# Altium PCB LION_TRACKER.PcbDoc (part 1 of 2)
Units mm, origin at the board's own origin, x right, y up, seen from the top; angles counter-clockwise.
Board outline 22.8 x 82 mm, 2 copper layers (Top Layer, Bottom Layer), stack 1.579 mm thick; 112 components, 82 nets, 425 pads, 501 vias.
Unrouted connection lines stored in the file: 5.
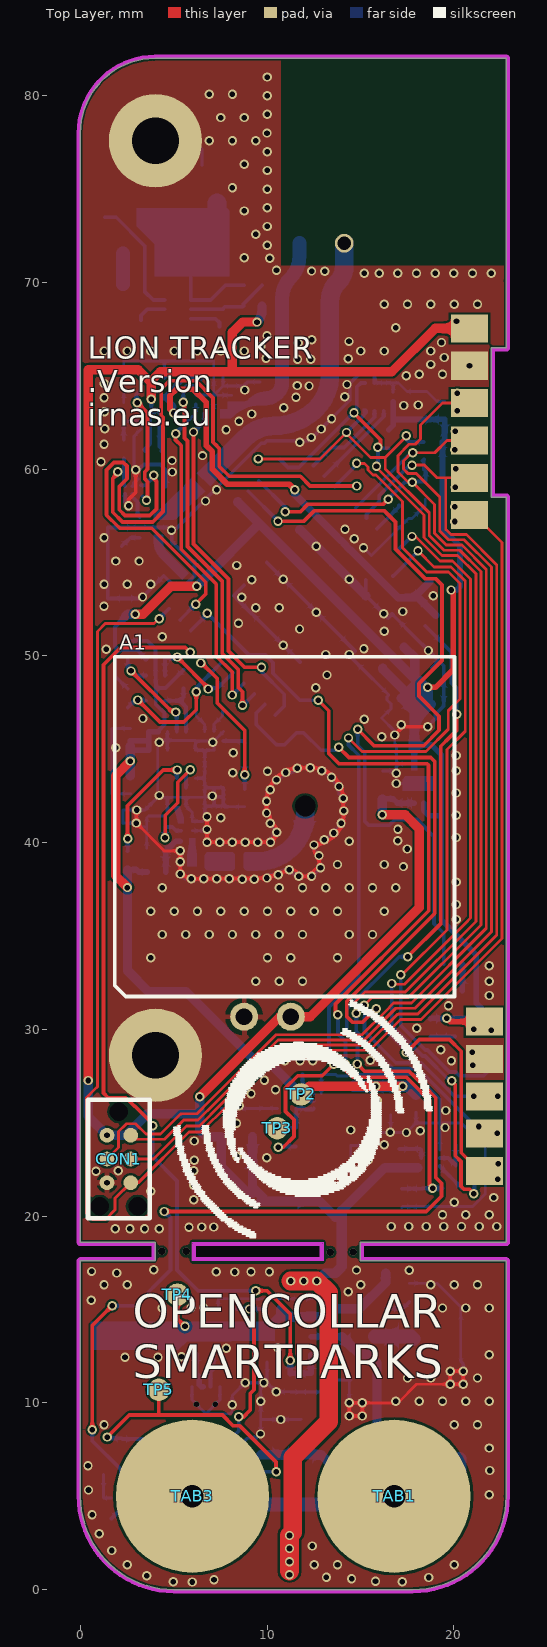
[diagram p0: Top Layer view]
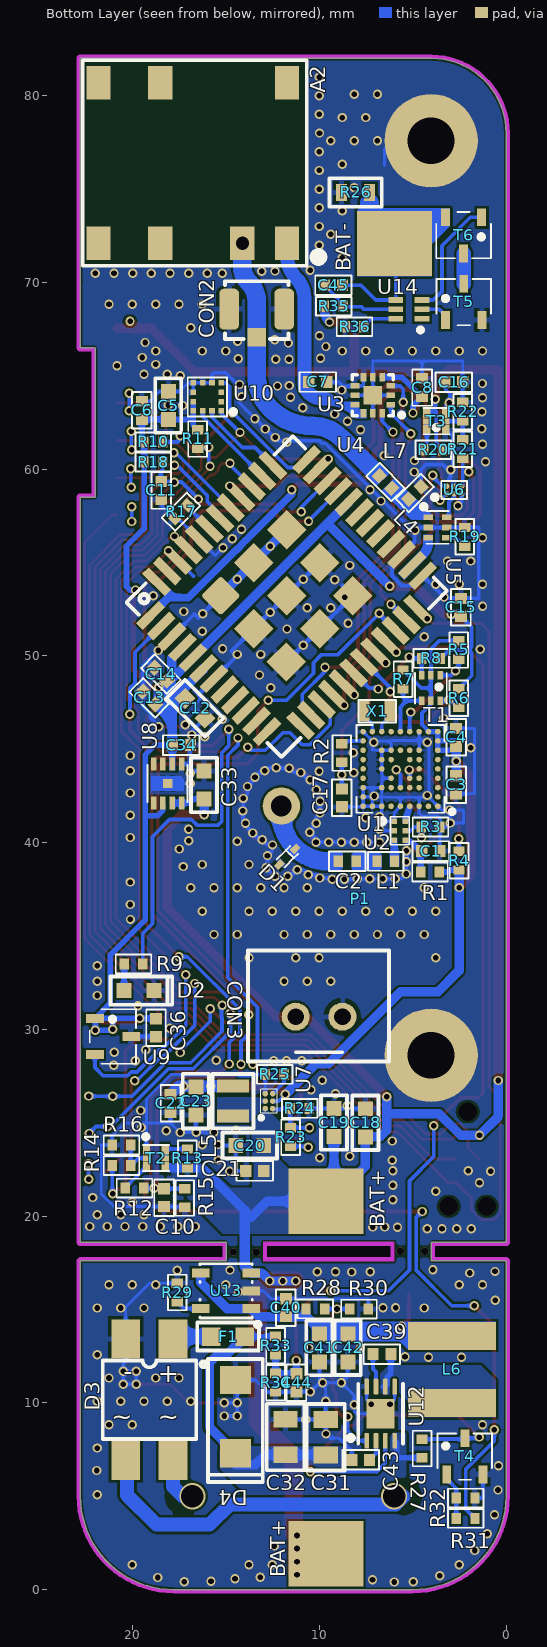
[diagram p1: Bottom Layer view, seen from below]

## Layer stack, top to bottom
Top Solder: solder mask 0.0102, Solder Resist, Dk 3.5
Top Layer: signal copper 0.0356
Dielectric 1: dielectric 1.508, FR-4, Dk 4.8
Bottom Layer: signal copper 0.0356
Bottom Solder: solder mask 0.0102, Solder Resist, Dk 3.5

## Board outline
0,5 0,17.6 4,17.6 4,18.6 0,18.6 0,78 cw(c4,78) 4,82 22.8,82 22.8,70.08 22.8,66.5 22,66.5 22,58.5 22.8,58.5 22.8,18.6 15,18.6 15,17.6 22.8,17.6 22.8,5 cw(c17.8,5) 17.8,0 5,0 cw(c4.999,5)
cut-out: 6,18.6 13,18.6 13,17.6 6,17.6

## Design rules (kind name [scope] priority, off if disabled: settings)
Clearance Clearance_ANT [InComponent('A1')] p1 off: gap=2.24 ignorepadtopadclearanceinfootprint=TRUE
Clearance [All] p2: gap=0.127 ignorepadtopadclearanceinfootprint=FALSE
ComponentClearance [All] p1: gap=0.152 collisioncheckmode=3 verticalgap=0.152 showdistances=FALSE
MinimumSolderMaskSliver [All] p1: minsoldermaskwidth=0
PlaneClearance [InComponent('A1')] p1: clearance=0.508
PolygonConnect [All] p1: thpad.connectstyle=Direct thpad.reliefconductorwidth=0.254 thpad.reliefentries=4 thpad.polygonreliefangle="90 Angle" thpad.airgapwidth=0.254 smdpad.connectstyle=Relief smdpad.reliefconductorwidth=0.3 smdpad.reliefentries=4 smdpad.polygonreliefangle="90 Angle" smdpad.airgapwidth=0.157 via.connectstyle=Direct via.reliefconductorwidth=0.254 via.reliefentries=4 via.polygonreliefangle="90 Angle" via.airgapwidth=0.254
RoutingVias [All] p1: holewidth=0.2 width=0.4 viastyle="Through Hole" minholewidth=0.2 minwidth=0.4 maxholewidth=1.5 maxwidth=2
SilkToSilkClearance [All] p1: silktosilkclearance=0
SilkToSolderMaskClearance [IsPad] p1: minsilkscreentomaskgap=0 clearancetoexposedcopper=TRUE
SolderMaskExpansion [All] p1: expansion=0.102 istentingtop=FALSE
Width [All] p1: maxlimit=5 minlimit=0.127 preferedwidth=0.3
25 further rules are at their usual default settings.

## Classes and differential pairs
component class SENSORS: C5 C6 C36 U9 U10
component class POWER: C18 C19 C20 C21 C22 C23 C31 C32 C33 C34 C39 C40 C41 C42 C43 C44 C45 D3 D4 F1 L5 L6 P1 R9 R23 R24 R25 R26 R27 R28 R29 R30 R31 R32 R33 R34 R35 R36 T4 T5 T6 TAB1 TAB3 TP2 TP3 TP4 TP5 U7 U8 U12 U13 U14
component class MCU: C11 C12 C13 C14 C15 C16 C17 R17 R18 R19 R20 R21 R22 T3 U4 U5 U6
component class GPS: A1 C1 C2 C3 C4 D1 L1 R1 R2 R3 R4 R5 R6 R7 R8 T1 U1 U2 X1
component class MAIN: A2 C7 C8 C10 CON1 CON2 D2 L4 L7 R9 R10 R11 R12 R13 R14 R15 R16 T2 U3

## Components (designator, comment, footprint, x,y, rotation, side; value= is the part's Value field where it differs from the comment)
A1 "MPA-184 1594MHz" MPA-184 10.934,40.863 r0 top locked
A2 "SR42I010-L" SR42I010-L 16.78,76.4 r180 bottom
C1 "33nF" CAP0402#1 4.04,39.55 r0 bottom
C2 "470pF" CAP0402#2 8.51,39 r0 bottom locked
C3 "1uF" CAP0402#1 2.675,43.1 r90 bottom
C4 "100nF" CAP0402#1 2.676,45.642 r270 bottom
C5 "10uF" CAP0603 18.09,63.41 r90 bottom
C6 "100nF" CAP0402#1 19.51,63.15 r270 bottom
C7 "3.9pF" CAP0402#1 10.09,64.67 r0 bottom
C8 "100nF" CAP0402#1 4.5,64.37 r270 bottom
C10 "10nF" CAP0402#1 18.32,20.99 r90 bottom
C11 "100nF" CAP0402#1 18.47,58.86 r90 bottom
C12 "10uF" CAP0603 16.66,47.2 r225 bottom
C13 "1uF" CAP0402#1 19.12,47.75 r225 bottom
C14 "100nF" CAP0402#1 18.49,49.03 r225 bottom
C15 "1uF" CAP0402#1 2.42,52.6 r270 bottom
C16 "100nF" CAP0402#1 2.8,64.66 r180 bottom
C17 "10nF" CAP0402#1 8.8,42.4 r90 bottom
C18 "10uF" CAP0603 7.54,25 r270 bottom
C19 "10uF" CAP0603 9.22,25.01 r270 bottom
C20 "10uF" CAP0603 13.73,23.78 r180 bottom
C21 "100nF" CAP0402#1 13.46,22.42 r180 bottom
C22 "100nF" CAP0402#1 17.97,26.04 r90 bottom
C23 "22uF/4V" CAP0603 16.62,26.16 r90 bottom
C31 "10uF /35V" CAP0805 9.66,8.16 r270 bottom
C32 "10uF /35V" CAP0805 11.81,8.17 r270 bottom
C33 "4u7/16V" CAP0603 16.18,43.09 r270 bottom
C34 "2.2uF 6V3" CAP0402#1 17.4,45.23 r0 bottom
C36 "1uF" CAP0402#1 18.75,30.09 r270 bottom
C39 "100nF" CAP0402#1 6.65,12.61 r180 bottom
C40 "1uF" CAP0402#1 11.8,15.1 r270 bottom
C41 "10uF" CAP0603 10,12.94 r90 bottom
C42 "10uF" CAP0603 8.48,12.95 r90 bottom
C43 "1uF" CAP0402#1 7.79,6.95 r180 bottom
C44 "100nF" CAP0402#1 11.23,11.08 r90 bottom
C45 "100nF" CAP0402#1 9.25,69.85 r0 bottom
CON1 "Tag connect" TC2030-IDC-NL 2.06,23.06 r270 top
CON2 "U.FL-R-SMT-1(10)" "ufl connector smd" 13.21,68.317 r0 bottom
CON3 "JST-xH" JST_2PIN_TH 8.77,30.68 r0 bottom
D1 "ESD9R3.3ST5G" SOD-923 11.72,39.25 r135 bottom
D2 "LED RED" LED0603 19.66,32.077 r0 bottom
D3 "MB1S" MB1S 19.1,10.17 r0 bottom
D4 "SMAJ28A" "DO-214AC (SMA)" 14.49,9.26 r270 bottom
F1 "750mA" FUSE0603 14.89,13.55 r180 bottom
L1 "8.2nH" IND0402#1 6.45,39 r0 bottom
L4 "NP" IND0402#2 4.89,58.73 r315 bottom
L5 "2.2uH" IND2.3X1.7 14.63,26.16 r90 bottom
L6 "SRN5020TA-220M" SRN5020TA 2.9,11.79 r90 bottom
L7 "1.5nH" IND0402#2 6.46,59.31 r45 bottom
P1 "BAT - 18650" "BATTERY 18650 - SMD TAB" 9.65,37.02 r180 bottom locked
R1 "0R" RES0402 4.08,38.43 r180 bottom
R2 "100R" RES0402 8.8,44.8 r90 bottom
R3 "1M/0402" RES0402 4.05,40.84 r0 bottom
R4 "100k" RES0402 2.52,39.04 r270 bottom
R5 "100k" RES0402 2.54,50.32 r270 bottom
R6 "100k" RES0402 2.54,47.74 r90 bottom
R7 "100k" RES0402 5.52,48.75 r270 bottom
R8 "100k" RES0402 4.02,49.87 r180 bottom
R9 "100R" RES0402 19.954,33.502 r0 bottom
R10 "10k" RES0402 18.89,61.46 r0 bottom
R11 "10k" RES0402 16.52,61.62 r90 bottom
R12 "330R" RES0402 19.9,21.5 r0 bottom
R13 "100k" RES0402 17.07,23.1 r270 bottom
R14 "100R" RES0402 20.6,22.71 r180 bottom
R15 "390R" RES0402 17.21,20.97 r90 bottom
R16 "1M/0402" RES0402 20.6,23.81 r180 bottom
R17 "10k" RES0402 17.41,57.72 r315 bottom
R18 "10k" RES0402 18.89,60.38 r0 bottom
R19 "50R" RES0402 2.22,56.38 r270 bottom
R20 "100k" RES0402 3.9,61.04 r180 bottom
R21 "100R" RES0402 2.32,61.07 r90 bottom
R22 "1M/0402" RES0402 2.32,63.08 r270 bottom
R23 "100R" RES0402 11.54,24.23 r90 bottom
R24 "1M" RES0402 11.06,25.77 r0 bottom
R25 "768k" RES0402 12.39,27.59 r180 bottom
R26 "0R" RES0603 8.06,74.82 r180 bottom
R27 "1M/0402" RES0402 4.5,7.56 r270 bottom
R28 "52.3k" RES0402 10.22,15.03 r0 bottom
R29 "2k" RES0402 17.61,15.91 r270 bottom
R30 "10k" RES0402 7.88,15.02 r0 bottom
R31 "100R" RES0402 2.17,3.815 r0 bottom
R32 "1M/0402" RES0402 2.17,4.905 r0 bottom
R33 "165k" RES0402 12.35,13.07 r90 bottom
R34 "10k" RES0402 12.35,11.08 r90 bottom
R35 "330R" RES0402 9.23,68.73 r0 bottom
R36 "2.2k" RES0402 8.12,67.63 r180 bottom
T1 "NTZD3154NT1G" SOT-563 4.03,48.28 r0 bottom value=BSS123
T2 "VT6M1T2CR" VMT6 18.76,23.11 r270 bottom value=BSS123
T3 "VT6M1T2CR" VMT6 3.74,62.57 r90 bottom value=BSS123
T4 "DMG2302UK-7" SOT23-3AL 2.21,7.135 r90 bottom value=BSS123
T5 "SI2374DS-T1-GE3" SOT23-3AL 2.27,68.96 r90 bottom value=BSS123
T6 "SI2374DS-T1-GE3" SOT23-3AL 2.28,72.52 r270 bottom value=BSS123
TAB1 "WP-SMBU SMD" WP-SMBU 16.8,5 r0 top
TAB3 "WP-SMBU SMD" WP-SMBU 6,5 r0 top
TP2 "TestPoint" TestPoint:1.2x1.2mm 11.82,26.52 r90 top
TP3 "TestPoint" TestPoint:1.2x1.2mm 10.54,24.71 r90 top
TP4 "TestPoint" TestPoint:1.2x1.2mm 5.2,15.8 r90 top
TP5 "TestPoint" TestPoint:1.2x1.2mm 4.2,10.7 r90 top
U1 "Ublox ZOE-M8Q" S-LGA51 5.66,43.95 r0 bottom
U2 "MAX2659" uDFN-6 5.69,40.64 r270 bottom
U3 "PE64102" QFN-12 7.14,63.96 r90 bottom
U4 "CMWX1ZZABZ" "Lora Module ES0" 11.53,53.49 r135 bottom
U5 "HHM22106C1" HHM22106C1 3.68,56.88 r270 bottom
U6 "LMH2110TMX" DSBGA-6 2.79,58.89 r90 bottom
U7 "MAX38640AENT+" WLP-6 12.7,26.16 r90 bottom
U8 "MCP1810T" VDFN_2x2 18.13,43.17 r0 bottom
U9 "DRV5032FBDBZR" SOT23-3AL 21.05,29.62 r180 bottom
U10 "LIS2DW12TR" LGA-12 16,63.87 r0 bottom
U12 "MCP16311T-E/MNY" TDFN-8 6.72,9.42 r180 bottom
U13 "MCP73812T-420I/OT" SOT23-5 15,16 r90 bottom
U14 "BQ29700DSET" PWSON-6 5.21,68.56 r90 bottom
X1 "9HT11-32.768KEZC-T" 9HT11 6.906,47.04 r180 bottom

## Footprints (in the part's own frame and the unit in brackets; to place one, negate y for a bottom-side part, rotate by r counter-clockwise, add the part's x,y. Pads: shape width x height; smd on the part's side, far side on the other; paste and mask are expansions set on the pad)
9HT11 [mm]
  rect 0.6x1.1 smd paste-0.05: 1(-0.7,0) 2(0.7,0)
  silkscreen extent -1,-0.6 1,0.6, body extent -1,-0.6 1,0.6, height 0.6
"BATTERY 18650 - SMD TAB" [mm]
  rect 4x3.5 smd: 1(0,-35.1) 2(3.67,35.07)
  body extent -9.1,-35.63 9.1,35.64, height 18
CAP0402#1 [mm] "Chip Capacitor, 2-Leads, Body 1.00x0.50mm, IPC Medium Density"
  rect 0.6x0.64 smd: 1(-0.48,0) 2(0.48,0)
  silkscreen extent -0.97,-0.53 0.97,0.53, body extent -0.55,-0.3 0.55,0.3, height 0.45
CAP0402#2 [mm] "Chip Capacitor, 2-Leads, Body 1.00x0.50mm, IPC Medium Density"
  rect 0.5x0.6 smd: 1(-0.48,0) 2(0.48,0)
  silkscreen extent -0.97,-0.53 0.97,0.53, body extent -0.55,-0.3 0.55,0.3, height 0.45
CAP0603 [mm]
  rect 0.8x0.8 smd: 1(-0.75,0) 2(0.75,0)
  silkscreen extent -1.46,-0.7 1.46,0.7, body extent -0.8,-0.4 0.8,0.4, height 0.9
CAP0805 [mm]
  rect 0.9x1.3 smd: 1(-0.95,0) 2(0.95,0)
  silkscreen extent -1.78,-1.02 1.78,1.02, body extent -1,-0.6 1,0.6, height 1.5
"DO-214AC (SMA)" [mm]
  rect 1.52x1.68 smd: A(-1.965,0) K(1.965,0)
  silkscreen extent -3.09,-1.48 3.5,1.46, body extent -2.58,-1.32 2.62,1.28, height 2.5
DSBGA-6 [mm]
  round 0.3 smd paste-0.05 mask+0.05: A1(-0.2,0.4) A2(0.2,0.4) B1(-0.2,0) B2(0.2,0) C1(-0.2,-0.4) C2(0.2,-0.4)
  silkscreen extent -0.48,-0.69 0.48,1.08, body extent -0.44,-0.61 0.44,0.61, height 0.61
FUSE0603 [mm]
  rect 1x1 smd: 1(-0.9,0) 2(0.9,0)
  silkscreen extent -1.65,-0.75 1.65,0.75, body extent -0.8,-0.37 0.8,0.38, height 0.77
HHM22106C1 [mm]
  rect 0.3x0.5 smd paste-0.025: 1(-0.55,-0.5) 2(0,-0.5) 3(0.55,-0.5) 4(0.55,0.5) 5(0,0.5) 6(-0.55,0.5)
  silkscreen extent -1.16,-0.78 0.87,0.6, body extent -0.85,-0.47 0.85,0.47, height 0.71
IND2.3X1.7 [mm]
  rect 0.7x1.7 smd: 1(-0.8,0) 2(0.8,0)
  silkscreen extent -1.45,-1.1 1.45,1.1, body extent -1,-0.8 1,0.8, height 0.95
IND0402#1 [mm] "Chip Inductor, 2-Leads, Body 1.00x0.50mm, IPC Medium Density"
  rect 0.5x0.6 smd: 1(-0.47,0) 2(0.47,0)
  silkscreen extent -0.95,-0.5 0.95,0.5, body extent -0.52,-0.27 0.53,0.27, height 0.55
IND0402#2 [mm] "Chip Inductor, 2-Leads, Body 1.00x0.50mm, IPC Medium Density"
  rect 0.57x0.62 smd: 1(-0.47,0) 2(0.47,0)
  silkscreen extent -0.95,-0.5 0.95,0.5, body extent -0.52,-0.28 0.53,0.27, height 0.55
JST_2PIN_TH [mm]
  round 1.5 hole 0.9: 1(0,0) 2(2.5,0)
  silkscreen extent -2.5,-3.54 5.06,2.4, body extent -2.44,-3.44 4.96,2.31, height 7
LED0603 [mm]
  rect 0.8x0.8 smd: 1(-0.8,0) 2(0.8,0)
  silkscreen extent -1.78,-0.76 1.52,0.76, body extent -0.85,-0.4 0.85,0.4, height 0.66
LGA-12 [mm]
  rect 0.3x0.3 smd paste-0.03 mask+0.075: 1(-0.75,0.75) 2(-0.75,0.25) 3(-0.75,-0.25) 4(-0.75,-0.75) 5(-0.25,-0.75) 6(0.25,-0.75) 7(0.75,-0.75) 8(0.75,-0.25) 9(0.75,0.25) 10(0.75,0.75) 11(0.25,0.75) 12(-0.25,0.75)
  Top Layer region: -0.615,0.875 -0.89,0.875 -0.89,0.625 -0.703,0.625 -0.615,0.713
  silkscreen extent -1.51,-1.05 1.05,1.05, body extent -1,-1 1,1, height 0.95
"Lora Module ES0" [mm]
  rect 1.7x0.5 smd paste-5: 1(-6.24,4.375) 2(-6.24,3.575) 3(-6.24,2.765) 4(-6.24,1.965) 5(-6.24,1.165) 6(-6.24,0.365) 7(-6.24,-0.425) 8(-6.24,-1.235) 9(-6.24,-2.035) 10(-6.24,-2.825) 11(-6.24,-3.635) 12(-6.24,-4.425) 25(5.562,-4.43) 26(5.562,-3.629) 27(5.562,-2.827) 28(5.562,-2.03) 29(5.562,-1.23) 30(5.562,-0.43) 31(5.56,0.365) 32(5.56,1.175) 33(5.56,1.975) 34(5.56,2.765) 35(5.56,3.575) 36(5.56,4.375)
  rect 0.5x1.7 smd paste-5: 13(-4.74,-5.48) 14(-3.938,-5.48) 15(-3.138,-5.48) 16(-2.338,-5.48) 17(-1.538,-5.48) 18(-0.738,-5.48) 19(0.062,-5.48) 20(0.862,-5.479) 21(1.662,-5.479) 22(2.462,-5.48) 23(3.269,-5.48) 24(4.11,-5.48) 37(4.07,5.425) 38(3.26,5.425) 39(2.47,5.425) 40(1.67,5.425) 41(0.87,5.425) 42(0.07,5.425) 43(-0.73,5.425) 44(-1.53,5.425) 45(-2.33,5.425) 46(-3.13,5.425) 47(-3.93,5.425) 48(-4.74,5.425)
  rrect20% 1.5x1.5 smd paste-0.2: 49(-2.838,2.47)
  rect 1.5x1.5 smd paste-0.2: 50(-0.338,2.47) 51(2.162,2.47) 52(-2.838,-0.03) 53(-0.338,-0.03) 54(2.162,-0.03) 55(-2.863,-2.53) 56(-0.338,-2.53) 57(2.162,-2.53)
  silkscreen extent -6.66,-5.94 5.93,5.79, body extent -6.63,-5.87 5.87,5.73, height 1.76
MB1S [mm]
  rect 1.55x2.1 smd: 1(-1.27,-3.25) 2(1.27,-3.25) 3(1.27,3.25) 4(-1.27,3.25)
  silkscreen extent -3.04,-2.1 2.5,2.1, body extent -2.45,-2.94 2.45,3.05, height 1.6
MPA-184 [mm]
  round 0.5 / inner round 2 / far side round 2 hole 1.1: 1(1.1,1.1)
  silkscreen extent -9.1,-9.1 9.1,9.1, body extent -9.1,-9.1 9.1,9.1, height 5.5
PWSON-6 [mm]
  rect 0.3x0.8 smd paste-0.025 mask+0.075: 1(-0.5,-0.7) 2(0,-0.7) 3(0.5,-0.7) 4(0.5,0.7) 5(0,0.7) 6(-0.5,0.7)
  silkscreen extent -1.21,-0.73 -0.99,-0.51, body extent -0.77,-0.77 0.77,0.77, height 0.8
QFN-12 [mm]
  rect 1x1 smd paste-0.1 mask+0.075: 0(0,0)
  rect 0.3x0.475 smd paste-0.025 mask+0.075: 1(-0.5,-0.962) 2(0,-0.962) 3(0.5,-0.962) 7(0.5,0.962) 8(0,0.962) 9(-0.5,0.962)
  rect 0.475x0.3 smd paste-0.025 mask+0.075: 4(0.962,-0.5) 5(0.962,0) 6(0.962,0.5) 10(-0.962,0.5) 11(-0.962,0) 12(-0.962,-0.5)
  silkscreen extent -1.17,-1.65 1.1,1.1, body extent -1,-1 1.01,1.01, height 0.61
RES0402 [mm] "Chip Resistor, 2-Leads, Body 1.00x0.50mm, IPC Medium Density"
  rect 0.5x0.6 smd: 1(-0.5,0) 2(0.5,0)
  silkscreen extent -0.95,-0.5 0.95,0.5, body extent -0.5,-0.25 0.5,0.25, height 0.35
RES0603 [mm]
  rect 0.6x0.9 smd: 1(-0.75,0) 2(0.75,0)
  silkscreen extent -1.4,-0.76 1.4,0.76, body extent -0.8,-0.42 0.8,0.42, height 0.8
S-LGA51 [mm]
  round 0.3 smd paste-0.05 mask+0.025: A1(-2,2) A2(-1.5,2) A3(-1,2) A4(-0.5,2) A5(0,2) A6(0.5,2) A7(1,2) A8(1.5,2) A9(2,2) B1(-2,1.5) B9(2,1.5) C1(-2,1) C3(-1,1) C4(-0.5,1) C5(0,1) C6(0.5,1) C7(1,1) C9(2,1) D1(-2,0.5) D3(-1,0.5) D4(-0.5,0.5) D6(0.5,0.5) D9(2,0.5) E1(-2,0) E3(-1,0) E7(1,0) E9(2,0) F1(-2,-0.5) F3(-1,-0.5) F4(-0.5,-0.5) F6(0.5,-0.5) F7(1,-0.5) F9(2,-0.5) G1(-2,-1) G3(-1,-1) G4(-0.5,-1) G5(0,-1) G6(0.5,-1) G7(1,-1) G9(2,-1) H1(-2,-1.5) H9(2,-1.5) J1(-2,-2) J2(-1.5,-2) J3(-1,-2) J4(-0.5,-2) J5(0,-2) J6(0.5,-2) J7(1,-2) J8(1.5,-2) J9(2,-2)
  silkscreen extent -2.88,-2.35 2.35,2.4, body extent -2.25,-2.25 2.25,2.25, height 1.04
SOD-923 [mm]
  rect 0.5x0.35 smd: A(-0.6,0) K(0.6,0)
  silkscreen extent -0.5,-0.3 0.51,0.3, body extent -0.5,-0.3 0.5,0.3, height 0.4
SOT23-3AL [mm]
  rect 0.95x0.48 smd: 1(-0.97,0.97) 2(-0.97,-0.97) 3(0.97,0)
  silkscreen extent -1.25,-1.46 1.23,1.46, body extent -1.25,-1.46 1.23,1.46, height 0.95
SOT23-5 [mm]
  rect 0.48x0.95 smd: 1(-0.95,-1.35) 2(0,-1.35) 3(0.95,-1.35) 4(0.95,1.35) 5(-0.95,1.35)
  silkscreen extent -1.92,-1.82 1.45,1.4, body extent -1.45,-1.4 1.45,1.4, height 1.45
SOT-563 [mm]
  rect 0.3x0.45 smd paste-0.05: 1(-0.5,-0.675) 2(0,-0.675) 3(0.5,-0.675) 4(0.5,0.675) 5(0,0.675) 6(-0.5,0.675)
  silkscreen extent -0.85,-0.81 0.85,0.82, body extent -0.8,-0.81 0.8,0.81, height 0.58
SR42I010-L [mm]
  rect 1.3x1.8 smd: 1(5.05,-4.3) 2(2.65,-4.3) 3(-1.75,-4.3) 4(-5.05,-4.3) 5(-5.05,4.3) 6(-1.75,4.3) 7(5.05,4.3)
  silkscreen extent -5.9,-5.5 6.96,5.5, body extent -6,-5.5 6,5.5, height 1.7
SRN5020TA [mm]
  rect 1.5x4.7 smd: 1(-1.8,0) 2(1.8,0)
  body extent -2.5,-2.5 2.5,2.5, height 2
TC2030-IDC-NL [mm] "Tag-Connect 6-Pin with No Legs (PN# TC2030-IDC-NL)"
  round 0.9 hole 0.995 unplated: 0(-2.54,0) 0(2.54,1.016) 0(2.54,-1.016)
  round 0.79 smd paste-0.39: 1(-1.27,-0.635) 2(-1.27,0.635) 3(0,-0.635) 4(0,0.635) 5(1.27,-0.635) 6(1.27,0.635)
  silkscreen extent -3.18,-1.65 3.18,1.65
TDFN-8 [mm]
  rrect50% 0.25x0.85 smd: 1(-0.75,-1.45) 2(-0.25,-1.45) 3(0.25,-1.45) 4(0.75,-1.45) 5(0.75,1.45) 6(0.25,1.45) 7(-0.25,1.45) 8(-0.75,1.45)
  rect 1.5x1.6 smd: 9(0,0)
  silkscreen extent -1.74,-1.6 1.2,1.6, body extent -1,-1.5 1,1.5, height 0.8
TestPoint:1.2x1.2mm [mm]
  round 1.2 smd paste-10 mask+0: 0(0,0)
uDFN-6 [mm]
  rect 0.3x0.3 smd mask+0.05: 1(-0.5,-0.3) 2(0,-0.3) 3(0.5,-0.3) 4(0.5,0.3) 5(0,0.3) 6(-0.5,0.3)
  silkscreen extent -0.75,-1.1 0.75,0.5, body extent -0.75,-0.5 0.75,0.5, height 0.75
"ufl connector smd" [mm]
  rect 1x1 smd: 1(0.15,1.248)
  rrect50% 1.05x2.2 smd: 2(-1.325,-0.252) 2(1.625,-0.252)
  silkscreen extent -1.55,-1.75 1.85,1.35, body extent -1.55,-1.67 1.85,1.43, height 1.25
VDFN_2x2 [mm]
  rect 0.5x0.5 smd: 0(0,0)
  rect 0.3x0.7 smd paste-0.025 mask+0.05: 1(-0.75,-1.05) 2(-0.25,-1.05) 3(0.25,-1.05) 4(0.75,-1.05) 5(0.75,1.05) 6(0.25,1.05) 7(-0.25,1.05) 8(-0.75,1.05)
  Top Layer region: 0.87,0.4 -0.87,0.401 -0.87,-0.23 -0.72,-0.38 0.87,-0.38
  silkscreen extent -1.07,-1 1.08,1, body extent -1,-1 1,1.01, height 0.86
VMT6 [mm]
  rect 0.5x0.4 smd paste-0.04 mask+0.05: 1(-0.43,-0.5) 3(0.43,-0.5) 4(0.43,0.5) 6(-0.43,0.5)
  rect 0.3x0.4 smd mask+0.05: 2(0,-0.5) 5(0,0.5)
  silkscreen extent -1.26,-0.7 0.7,0.7, body extent -0.6,-0.6 0.6,0.6, height 0.55
WLP-6 [mm] "WLP-6"
  round 0.3 smd paste-0.05 mask+0.05: A1(-0.4,0.2) A2(0,0.2) A3(0.4,0.2) B1(-0.4,-0.2) B2(0,-0.2) B3(0.4,-0.2)
  silkscreen extent -0.95,-0.45 0.64,0.48, body extent -0.62,-0.42 0.62,0.42, height 1.27
WP-SMBU [mm]
  round 8.2 smd paste-10: 1(0,0)
  body extent -3.5,-3.5 3.5,3.5, height 7

## Part data
A1: library part "ANT - MAXTENA MPA-184 1594MHz", "Antennas Passive GPS/GLONASS Patch Antenna", Manufacturer=Antenova, Manufacturer Part Number=SR42I010-R, Supplier Part Number 1=931-1152-ND, ComponentLink1Description=Datasheet, ComponentLink1URL=https://www.maxtena.com/wp-content/uploads/2018/09/maxtena_application_note_patch_antennas.pdf, Pricing 1="1 = 2.36000, 10 = 1.90000, 50 = 1.90000, 100 = 1.52000, 1000 = 1.07000, 10000 = 0.95900 (USD)", Stock 1=3154, Supplier 1=Digi-Key
A2: library part "ANT - SR42I010-L", "Antenna SMD -4dBi Gain 870MHz/928MHz Automotive 7-Pin SMD T/R", Manufacturer=Antenova, Manufacturer Part Number=SR42I010-R, Supplier Part Number 1=237-SR42I010-L, Pricing 1="1 = 2.36000, 10 = 1.90000, 50 = 1.90000, 100 = 1.52000, 1000 = 1.07000, 10000 = 0.95900 (USD)", Stock 1=3154, Supplier 1=Mouser
C1: library part "C - 33pF/0402", "33 pF, 16 V,  5%, C0G / NP0, MC Series", Capacitance=33pF, Case Code (Imperial)=0402, Case Code (Metric)=1005, Dielectric=C0G, IRNAS Part No.=/, Manufacturer=Multicomp, Manufacturer Part Number=MC0402N330J160CT, Max Operating Temperature=125°C, Min Operating Temperature=-55°C, Supplier Part Number 1=1759384, Tolerance=5%, Voltage Rating=16V, ComponentLink1Description=http://www.farnell.com/datasheets/2117933.pdf, ComponentLink1URL=http://www.farnell.com/datasheets/2117933.pdf, ComponentLink2Description=http://www.farnell.com/datasheets/2117900.pdf, ComponentLink2URL=http://www.farnell.com/datasheets/2117900.pdf, Packaging="Cut Tape", Pricing 1="10=0.011, 100=0.009, 500=0.0069, 2500=0.0041 (EUR)", REACH SVHC="No SVHC", Stock 1=19597, Supplier 1=Farnell, Voltage Rating (DC)=16V
C2: library part "C - 470pF/0402", "470 pF, 50 V, 0402 [1005 Metric], ± 10%, X7R, GRT Series", IRNAS Part No.=/, Manufacturer=Murata, Manufacturer Part Number=GRT155R71H471KE01D, Supplier Part Number 1=2672128, Pricing 1="10=0.0259, 100=0.0176, 500=0.0105, 2500=0.008, 5000=0.007, 10000=0.006, 50000=0.0041 (GBP)", Stock 1=11080, Supplier 1=Farnell
C3 C13 C15 C36: library part "C - 1uF/0402", "CAP CER 1UF 10V 20% X5R 0402", Case/Package=0402, Case Code (Metric)=1005, Dielectric=X5R, IRNAS Part No.=/, Manufacturer=Murata, Manufacturer Part Number=GRM155R61A105ME15D, Max Operating Temperature=85°C, Min Operating Temperature=-55°C, Package Quantity=1, Supplier Part Number 1=1740588, Tolerance=20%, Voltage=10V, Capacitance=1uF, Case Code (Imperial)=0402, ComponentLink1Description=https://datasheet.ciiva.com/164/product-164665.pdf, ComponentLink1URL=https://datasheet.ciiva.com/164/product-164665.pdf, ComponentLink2Description=https://datasheet.ciiva.com/11616/product-11616508.pdf, ComponentLink2URL=https://datasheet.ciiva.com/11616/product-11616508.pdf, ComponentLink3Description=https://datasheet.ciiva.com/46418/1769893-46418047.pdf, ComponentLink3URL=https://datasheet.ciiva.com/46418/1769893-46418047.pdf, ComponentLink4Description=https://datasheet.ciiva.com/164/partnumbering-e-01-164666.pdf, ComponentLink4URL=https://datasheet.ciiva.com/164/partnumbering-e-01-164666.pdf, ComponentLink5Description=https://datasheet.ciiva.com/164/partnumbering-e-01-164667.pdf, ComponentLink5URL=https://datasheet.ciiva.com/164/partnumbering-e-01-164667.pdf, Depth=0.5mm, Height=0.5mm, Lead Free="Lead Free", Length=1mm, Mount="Surface Mount", Packaging="Tape and Reel", Pricing 1="10=0.0379, 100=0.0266, 500=0.0156, 2500=0.0098, 5000=0.0083 (EUR)", Radiation Hardening=No, REACH SVHC="No SVHC", Stock 1=0, Supplier 1=Farnell, Thickness=0.022inch, Voltage Rating=10V, Voltage Rating (DC)=10V, Width=0.02inch
C4 C6 C8 C11 C14 C16 C21 C22 C39 C44 C45: library part "C - 100nF/0402", "0.1 F, 16 V,  5%, X5R, MC Series", Case Code (Imperial)=0402, Case Code (Metric)=1005, Dielectric=X5R, IRNAS Part No.=/, Manufacturer=Multicomp, Manufacturer Part Number=MC0402X104J160CT, Max Operating Temperature=85°C, Min Operating Temperature=-55°C, Supplier Part Number 1=2627419, Tolerance=5%, Voltage Rating=16V, Capacitance=100nF, ComponentLink1Description=http://www.farnell.com/datasheets/2117933.pdf, ComponentLink1URL=http://www.farnell.com/datasheets/2117933.pdf, ComponentLink2Description=http://www.farnell.com/datasheets/2117900.pdf, ComponentLink2URL=http://www.farnell.com/datasheets/2117900.pdf, Packaging="Tape and Reel", Pricing 1="10=0.0139, 100=0.0108, 500=0.0076, 2500=0.0051, 5000=0.0038 (EUR)", REACH SVHC="No SVHC", Stock 1=3230, Supplier 1=Farnell, Voltage Rating (DC)=16V
C5 C12 C20: library part "C - 10uF/10V", "Cap Ceramic 10uF 10V X5R 10% SMD 0603 85C Paper T/R", Case/Package=0603, Case Code (Metric)=1608, Dielectric=X5R, IRNAS Part No.=/, Manufacturer=Samsung, Manufacturer Part Number=CL10A106KP8NNNC, Max Operating Temperature=85°C, Min Operating Temperature=-55°C, Package Quantity=1, Supplier Part Number 1=2456110, Tolerance=10%, Voltage Rating=10V, Capacitance=10uF, Case Code (Imperial)=0603, ComponentLink1Description=https://www.verical.com/server-webapp/html/getDatasheet?partID=359551, ComponentLink1URL=https://www.verical.com/server-webapp/html/getDatasheet?partID=359551, ComponentLink2Description=http://www1.futureelectronics.com/doc/SAMSUNG%20PASSIVE/CL05B104KQ5NNNC.pdf, ComponentLink2URL=http://www1.futureelectronics.com/doc/SAMSUNG%20PASSIVE/CL05B104KQ5NNNC.pdf, ComponentLink3Description=https://produktinfo.conrad.com/datenblaetter/450000-474999/457369-da-01-en-VS_KONDENSATOR_0603.pdf, ComponentLink3URL=https://produktinfo.conrad.com/datenblaetter/450000-474999/457369-da-01-en-VS_KONDENSATOR_0603.pdf, Contact Plating=Tin, Depth=0.8mm, Height=0.8mm, Lead Free="Lead Free", Length=1.6mm, Material=Ceramic, Mount="Surface Mount", Packaging="Tape and Reel", Pricing 1="1=0.36, 10=0.248, 100=0.1403, 500=0.099, 1000=0.08663 (USD)", Radiation Hardening=No, Stock 1=2844657, Supplier 1=Farnell, Thickness=0.035inch, Voltage Rating (DC)=10V, Width=0.031inch
C7: library part "C - 3.9pF/0402", "3.9 pF, 50 V, 0402 [1005 Metric], ± 0.25pF, NP0", Capacitance=1.8pF, Case/Package=0402, Case Code (Metric)=1005, Dielectric Material=Ceramic, IRNAS Part No.=/, Manufacturer=KEMET, Manufacturer Part Number=MC0402N3R9C500CT, Max Operating Temperature=125°C, Min Operating Temperature=-55°C, Supplier Part Number 1=2627407, Voltage Rating=50V, Case Code (Imperial)=0402, ComponentLink1Description=Datasheet, ComponentLink1URL=http://www.farnell.com/datasheets/2861120.pdf?_ga=2.234267230.1320867293.1574405148-1373726713.1554121096&_gac=1.121381498.1571402529.CjwKCAjwxaXtBRBbEiwAPqPxcCedmxiKa04iNyErqeZ3YE_megEuFQhz7mFuJRxR0uEYBmhYeHxt1xoC4MkQAvD_BwE, Lead Free="Lead Free", Packaging="Tape and Reel", Pricing 1="10=0.463, 100=0.248, 500=0.182, 2500=0.153, 5000=0.134, 10000=0.11, 50000=0.0961 (EUR)", Stock 1=8950, Supplier 1=Farnell, Termination=SMD/SMT, Voltage Rating (DC)=50V
C10 C17: library part "C - 10nF/0402", "CAP CER 10000PF 16V X7R 0402", Case/Package=0402, Case Code (Metric)=1005, Dielectric=X7R, IRNAS Part No.=/, Manufacturer=Murata, Manufacturer Part Number=GRM155R71C103KA01D, Max Operating Temperature=125°C, Min Operating Temperature=-55°C, Package Quantity=1, Supplier Part Number 1=1828864, Tolerance=10%, Voltage=16V, Capacitance=10nF, Case Code (Imperial)=0402, ComponentLink1Description=https://datasheet.ciiva.com/129/partnumbering-e-01-129774.pdf, ComponentLink1URL=https://datasheet.ciiva.com/129/partnumbering-e-01-129774.pdf, ComponentLink2Description=https://datasheet.ciiva.com/129/partnumbering-e-01-129775.pdf, ComponentLink2URL=https://datasheet.ciiva.com/129/partnumbering-e-01-129775.pdf, ComponentLink3Description=https://datasheet.ciiva.com/129/product-129776.pdf, ComponentLink3URL=https://datasheet.ciiva.com/129/product-129776.pdf, ComponentLink4Description=https://datasheet.ciiva.com/18184/getdatasheetpartid-178863-18184649.pdf, ComponentLink4URL=https://datasheet.ciiva.com/18184/getdatasheetpartid-178863-18184649.pdf, ComponentLink5Description=https://datasheet.ciiva.com/22698/608985-22698415.pdf, ComponentLink5URL=https://datasheet.ciiva.com/22698/608985-22698415.pdf, ComponentLink6Description=https://datasheet.ciiva.com/7937/608985-7937614.pdf, ComponentLink6URL=https://datasheet.ciiva.com/7937/608985-7937614.pdf, Depth=0.5mm, Height=0.5mm, Lead Free="Lead Free", Length=1mm, Mount="Surface Mount", Number of Pins=2, Packaging="Tape and Reel", Pricing 1="10=0.0216, 100=0.0151, 500=0.0104, 2500=0.0069, 5000=0.0056 (EUR)", Radiation Hardening=No, REACH SVHC="No SVHC", Stock 1=16478, Supplier 1=Farnell, Termination=SMD/SMT, Thickness=0.022inch, Voltage Rating=16V, Voltage Rating (DC)=16V, Width=0.02inch
C18 C19 C41 C42: library part "C - 10uF/10V", "Cap Ceramic 10uF 10V X5R 10% SMD 0603 85C Paper T/R", Case/Package=0603, Case Code (Metric)=1608, Dielectric=X5R, IRNAS Part No.=/, Manufacturer=Samsung, Manufacturer Part Number=CL10A106KP8NNNC, Max Operating Temperature=85°C, Min Operating Temperature=-55°C, Package Quantity=1, Supplier Part Number 1=1276-1192-1-ND, Tolerance=10%, Voltage Rating=10V, Capacitance=10uF, Case Code (Imperial)=0603, ComponentLink1Description=https://www.verical.com/server-webapp/html/getDatasheet?partID=359551, ComponentLink1URL=https://www.verical.com/server-webapp/html/getDatasheet?partID=359551, ComponentLink2Description=http://www1.futureelectronics.com/doc/SAMSUNG%20PASSIVE/CL05B104KQ5NNNC.pdf, ComponentLink2URL=http://www1.futureelectronics.com/doc/SAMSUNG%20PASSIVE/CL05B104KQ5NNNC.pdf, ComponentLink3Description=https://produktinfo.conrad.com/datenblaetter/450000-474999/457369-da-01-en-VS_KONDENSATOR_0603.pdf, ComponentLink3URL=https://produktinfo.conrad.com/datenblaetter/450000-474999/457369-da-01-en-VS_KONDENSATOR_0603.pdf, Contact Plating=Tin, Depth=0.8mm, Height=0.8mm, Lead Free="Lead Free", Length=1.6mm, Material=Ceramic, Mount="Surface Mount", Packaging="Tape and Reel", Pricing 1="1=0.36, 10=0.248, 100=0.1403, 500=0.099, 1000=0.08663 (USD)", Radiation Hardening=No, Stock 1=2844657, Supplier 1=Digi-Key, Thickness=0.035inch, Voltage Rating (DC)=10V, Width=0.031inch
C23: library part "C - 10uF/10V", "22 µF, 4 V, 0603 [1608 Metric], ± 20%, X5R, GRM Series", Capacitance=10uF, Case/Package=0603, Case Code (Metric)=1608, Dielectric=X5R, IRNAS Part No.=/, Manufacturer=Samsung, Manufacturer Part Number=GRM188R60G226MEA0D, Max Operating Temperature=85°C, Min Operating Temperature=-55°C, Package Quantity=1, Supplier Part Number 1=1907502, Tolerance=10%, Voltage Rating=10V, Case Code (Imperial)=0603, ComponentLink1Description=https://www.verical.com/server-webapp/html/getDatasheet?partID=359551, ComponentLink1URL=https://www.verical.com/server-webapp/html/getDatasheet?partID=359551, ComponentLink2Description=http://www1.futureelectronics.com/doc/SAMSUNG%20PASSIVE/CL05B104KQ5NNNC.pdf, ComponentLink2URL=http://www1.futureelectronics.com/doc/SAMSUNG%20PASSIVE/CL05B104KQ5NNNC.pdf, ComponentLink3Description=https://produktinfo.conrad.com/datenblaetter/450000-474999/457369-da-01-en-VS_KONDENSATOR_0603.pdf, ComponentLink3URL=https://produktinfo.conrad.com/datenblaetter/450000-474999/457369-da-01-en-VS_KONDENSATOR_0603.pdf, Contact Plating=Tin, Depth=0.8mm, Height=0.8mm, Lead Free="Lead Free", Length=1.6mm, Material=Ceramic, Mount="Surface Mount", Packaging="Tape and Reel", Pricing 1="1=0.36, 10=0.248, 100=0.1403, 500=0.099, 1000=0.08663 (USD)", Radiation Hardening=No, Stock 1=2844657, Supplier 1=Farnell, Thickness=0.035inch, Voltage Rating (DC)=10V, Width=0.031inch
C31 C32: library part "C - 10uF /16V", "10UF, 16V, 0805", Capacitance=10uF, Case/Package=0805, IRNAS Part No.=I-200007, Manufacturer=TDK, Manufacturer Part Number=CGA4J1X5R1C106K125AC, Supplier Part Number 1=2611943, Case Code (Imperial)=0805, ComponentLink1Description=http://bcove.me/e1v54mtm, ComponentLink1URL=http://bcove.me/e1v54mtm, ComponentLink2Description=http://www.farnell.com/datasheets/1936565.pdf, ComponentLink2URL=http://www.farnell.com/datasheets/1936565.pdf, ComponentLink3Description=http://www.farnell.com/datasheets/1683658.pdf, ComponentLink3URL=http://www.farnell.com/datasheets/1683658.pdf, Pricing 1="5=0.41, 50=0.146, 250=0.131, 500=0.12, 1000=0.103 (GBP)", RoHS=YES, Stock 1=8974, Supplier 1=Farnell
C33: library part "C - 4u7  16V 0603", "4.7UF, 16V, 0603", Capacitance=4.7, Capacitance Tolerance="± 10%", Ceramic Capacitor Case="0603 [1608 Metric]", Dielectric Characteristic=X5, IRNAS Part No.=I-200001, Manufacturer=MURATA, Manufacturer Part Number=GRM188R61C475KAAJD, Operating Temperature Max=85, Operating Temperature Min=-55, Supplier Part Number 1=2611924, Voltage Rating=16, Automotive Qualification Standard=-, ComponentLink1Description=http://www.farnell.com/datasheets/2079168.pdf, ComponentLink1URL=http://www.farnell.com/datasheets/2079168.pdf, MSL="MSL 1 - Unlimited", Packaging="Cut Tape", Pricing 1="10=0.16, 100=0.0929, 500=0.076, 1000=0.0618, 2000=0.0605, 4000=0.0425, 20000=0.0409, 40000=0.0355 (GBP)", Product Range="GRM Series", RoHS=YES, Stock 1=5038, Supplier 1=Farnell, SVHC="No SVHC (17-Dec-2015)<!--FANDB--><div class=\"features-and-benefits-container\"><div class=\"features-and-benefits-desc-container\"><span class=\"features-and-benefits-container-desc\">SMD Multilayer Ceramic Capacitor, 0603 [1608 Metric], 4.7 µF, 16 V, ± 10%, X5"
C34: library part "C - 2.2uF/6V3/0402", "CAP CER 2.2UF 6.3V 20% X5R 0402", Capacitance=2.2uF, Case/Package=0402, Case Code (Metric)=1005, Dielectric=X5R, IRNAS Part No.=/, Manufacturer=Murata, Manufacturer Part Number=GRM155R60J225ME15D, Max Operating Temperature=85°C, Min Operating Temperature=-55°C, Package Quantity=10000, Supplier Part Number 1=2362088, Tolerance=20%, Voltage=6.3V, Case Code (Imperial)=0402, ComponentLink1Description=https://datasheet.ciiva.com/29149/450128-da-01-de-vs-kondens-grm155-r60j-225me15d-29149006.pdf, ComponentLink1URL=https://datasheet.ciiva.com/29149/450128-da-01-de-vs-kondens-grm155-r60j-225me15d-29149006.pdf, ComponentLink2Description=https://datasheet.ciiva.com/46418/1754686-46418042.pdf, ComponentLink2URL=https://datasheet.ciiva.com/46418/1754686-46418042.pdf, ComponentLink3Description=https://datasheet.ciiva.com/17454/c02e-17454956.pdf, ComponentLink3URL=https://datasheet.ciiva.com/17454/c02e-17454956.pdf, ComponentLink4Description=https://datasheet.ciiva.com/235/partnumbering-e-01-235009.pdf, ComponentLink4URL=https://datasheet.ciiva.com/235/partnumbering-e-01-235009.pdf, ComponentLink5Description=https://datasheet.ciiva.com/2989/c02e-2989361.pdf, ComponentLink5URL=https://datasheet.ciiva.com/2989/c02e-2989361.pdf, ComponentLink6Description=https://datasheet.ciiva.com/235/partnumbering-e-01-235010.pdf, ComponentLink6URL=https://datasheet.ciiva.com/235/partnumbering-e-01-235010.pdf, ComponentLink7Description=https://datasheet.ciiva.com/235/partnumbering-e-01-235011.pdf, ComponentLink7URL=https://datasheet.ciiva.com/235/partnumbering-e-01-235011.pdf, Depth=0.5mm, Height=0.5mm, Lead Free="Lead Free", Length=1mm, Material=Ceramic, Mount="Surface Mount", Packaging="Tape and Reel", Pricing 1="10=0.118, 100=0.0494, 500=0.031, 2500=0.0213, 5000=0.0163 (EUR)", Radiation Hardening=No, REACH SVHC="No SVHC", Stock 1=0, Supplier 1=Farnell, Termination=SMD/SMT, Thickness=0.022inch, Voltage Rating=6.3V, Voltage Rating (DC)=6.3V, Width=0.02inch
C40 C43: library part "C - 1uF/0402", "CAP CER 1UF 10V 20% X5R 0402", Case/Package=0402, Case Code (Metric)=1005, Dielectric=X5R, IRNAS Part No.=/, Manufacturer=Murata, Manufacturer Part Number=GRM155R61A105ME15D, Max Operating Temperature=85°C, Min Operating Temperature=-55°C, Package Quantity=1, Supplier Part Number 1=2426953, Tolerance=20%, Voltage=10V, Capacitance=1uF, Case Code (Imperial)=0402, ComponentLink1Description=https://datasheet.ciiva.com/164/product-164665.pdf, ComponentLink1URL=https://datasheet.ciiva.com/164/product-164665.pdf, ComponentLink2Description=https://datasheet.ciiva.com/11616/product-11616508.pdf, ComponentLink2URL=https://datasheet.ciiva.com/11616/product-11616508.pdf, ComponentLink3Description=https://datasheet.ciiva.com/46418/1769893-46418047.pdf, ComponentLink3URL=https://datasheet.ciiva.com/46418/1769893-46418047.pdf, ComponentLink4Description=https://datasheet.ciiva.com/164/partnumbering-e-01-164666.pdf, ComponentLink4URL=https://datasheet.ciiva.com/164/partnumbering-e-01-164666.pdf, ComponentLink5Description=https://datasheet.ciiva.com/164/partnumbering-e-01-164667.pdf, ComponentLink5URL=https://datasheet.ciiva.com/164/partnumbering-e-01-164667.pdf, Depth=0.5mm, Height=0.5mm, Lead Free="Lead Free", Length=1mm, Mount="Surface Mount", Packaging="Tape and Reel", Pricing 1="10=0.0379, 100=0.0266, 500=0.0156, 2500=0.0098, 5000=0.0083 (EUR)", Radiation Hardening=No, REACH SVHC="No SVHC", Stock 1=0, Supplier 1=Farnell, Thickness=0.022inch, Voltage Rating=10V, Voltage Rating (DC)=10V, Width=0.02inch
CON1: library part "tag connecot 6 pin"
CON2: "RF / Coaxial Connector, U.FL Coaxial, Straight Jack, Surface Mount Vertical, 50 ohm, Brass", Dielectric Material="Liquid Crystal Polymer (LCP)", Frequency - Max=6GHz, Housing Color=Beige, Manufacturer=Hirose, Operating Temperature="-40°C ~ 90°C", Standard Package=2,500, Supplier Part Number 1=1688077, Voltage Rating=-, Body Finish=Silver, Body Material="Phosphor Bronze", Cable Group=-, Category="Connectors, Interconnects", Center Contact Material=Brass, Center Contact Plating=Gold, ComponentLink1Description=http://www.farnell.com/datasheets/91524.pdf, ComponentLink1URL=http://www.farnell.com/datasheets/91524.pdf, ComponentLink2Description=http://uk.rs-online.com/webdocs/1363/0900766b81363563.pdf, ComponentLink2URL=http://uk.rs-online.com/webdocs/1363/0900766b81363563.pdf, ComponentLink3Description=http://www.farnell.com/datasheets/1947917.pdf, ComponentLink3URL=http://www.farnell.com/datasheets/1947917.pdf, Connector Style="U.FL, Ultra Miniature Coaxial", Connector Type="Receptacle, Male Pin", Contact Termination=Solder, Family="Coaxial Connectors (RF)", Fastening Type=Snap-On, Featured Product="U.FL Series Connectors", Features=-, Impedance="50 Ohm", Ingress Protection=-, Manufacturer Part Number=U.FL-R-SMT-1(10), Mounting Type="Surface Mount", Online Catalog="UMCC (Ultra Miniature Coax Connectors), U.FL Series", Other Names="H11891TR  Q5400621  U.FL-R-SMT-1 10  U.FL-R-SMT-1(10)-ND  UFLRSMT110", Packaging="Tape & Reel (TR)", Series=U.FL, Shield Termination=Solder, Stock 1=0, Supplier 1=Farnell
CON3: library part "B2B-XH-A (LF)(SN)", "Wire-To-Board Connector, Vertical, 2.5 mm, 2 Contacts, Header, XH Series, Through Hole, 1 Rows", Supplier Part Number 1=1516276, ComponentLink1Description=Datasheet, ComponentLink1URL=http://www.farnell.com/datasheets/2057209.pdf?_ga=2.26100990.2144023421.1568612611-1741076818.1563951383, Supplier 1=Farnell
D1: library part "D_TVS - ESD9R3.3ST5G", "TVS Diode, ESD9R Series, Unidirectional, 3.3 V, 7.8 V", Diode Case Style=SOD-123, Forward Current If(AV)=300, Forward Surge Current Ifsm Max=2, Forward Voltage VF Max=1.25, Manufacturer="DIODES INC.", Manufacturer Part Number=1N4148W-7-F., Operating Temperature Max=150, Operating Temperature Min=-65, Operating Temperature Range="-65°C to +150°C<!--FANDB--><div class=\"features-and-benefits-container\"><div class=\"features-and-benefits-description\"><span class=\"features-benefits-value\">The 1N4148W-7-F is a surface mount fast Switching Diode with moulded plastic case. Suitable for general purpose switching applications.</span></div><div class=\"features-and-benefits-list\"><ul class=\"features-and-benefits-list-list\"><li class=\"features-and-benefits-list-item\">Fast Switching Speed</li><li class=\"features-and-benefits-list-item\">2", Repetitive Reverse Voltage Vrrm Max=100, Supplier Part Number 1=2101835, Automotive Qualification Standard=-, ComponentLink1Description=Datasheet, ComponentLink1URL=D:\altium\Altium_Library\Active\Datasheet\ESD9R33ST5G.pdf, Diode Configuration=Single, Diode Type=Switching, MSL="MSL 1 - Unlimited", No. of Pins=2, Packaging="Cut Tape", Pricing 1="1=0.136, 25=0.132, 100=0.0465, 500=0.042, 1000=0.024, 3000=0.021, 9000=0.017, 30000=0.0149 (GBP)", Product Range="1N4148 Series", Reverse Recovery Time trr Max=4, RoHS=YES, Stock 1=157320, Supplier 1=Farnell, SVHC="No SVHC (17-Dec-2015)"
D2: library part "LED - LED RED", "BROADCOM LIMITED - HSMS-C190 - LED, RED, 10MCD, 626NM", Forward Current If=20, Forward Voltage=2.1, LED Colour=Red, Manufacturer="BROADCOM LIMITED", Manufacturer Part Number=HSMS-C190, Supplier Part Number 1=2497356, Automotive Qualification Standard=-, Bulb Size=-, ComponentLink1Description=http://www.farnell.com/datasheets/313031.pdf, ComponentLink1URL=http://www.farnell.com/datasheets/313031.pdf, ComponentLink2Description=http://www.farnell.com/datasheets/1681524.pdf, ComponentLink2URL=http://www.farnell.com/datasheets/1681524.pdf, ComponentLink3Description=http://www.farnell.com/datasheets/2165483.pdf, ComponentLink3URL=http://www.farnell.com/datasheets/2165483.pdf, LED Mounting=SMD, Lens Shape=Rectangular, Luminous Intensity=10, MSL=-, Packaging="Cut Tape", Pricing 1="1=0.361, 10=0.256, 50=0.235, 100=0.106, 200=0.101 (GBP)", Product Range=-, RoHS=YES, Stock 1=7534, Supplier 1=Farnell, SVHC="No SVHC (17-Dec-2015)<!--FANDB--><div class=\"features-and-benefits-container\"><div class=\"features-and-benefits-description\"><span class=\"features-benefits-value\">The HSMS-C190 is a HER SMD Chip LED with untinted/diffused lens, made of GaP. It is designed in an industry standard package 1.6 x 0.8mm footprint with 0.8mm profile. It is compatible with IR reflow solder processes. The small size and wide viewing angle make this LED prime choices for backlighting applications and front panel illumination especially where space is a premium.</span></div><div class=\"features-and-benefits-list\"><ul class=\"features-and-benefits-list-list\"><li class=\"features-and-benefits-list-item\">Small size</li><li class=\"features-and-benefits-list-item\">Industry standard footprint</li><li class=\"features-and-benefits-list-item\">Compatible with IR solder</li><li class=\"features-and-benefits-list-item\">Diffused optics</li><li class=\"features-and-benefits-list-item\">-40 to 85", Viewing Angle=170°, Wavelength Typ=626